# KiCad board Backplane_v2.kicad_pcb
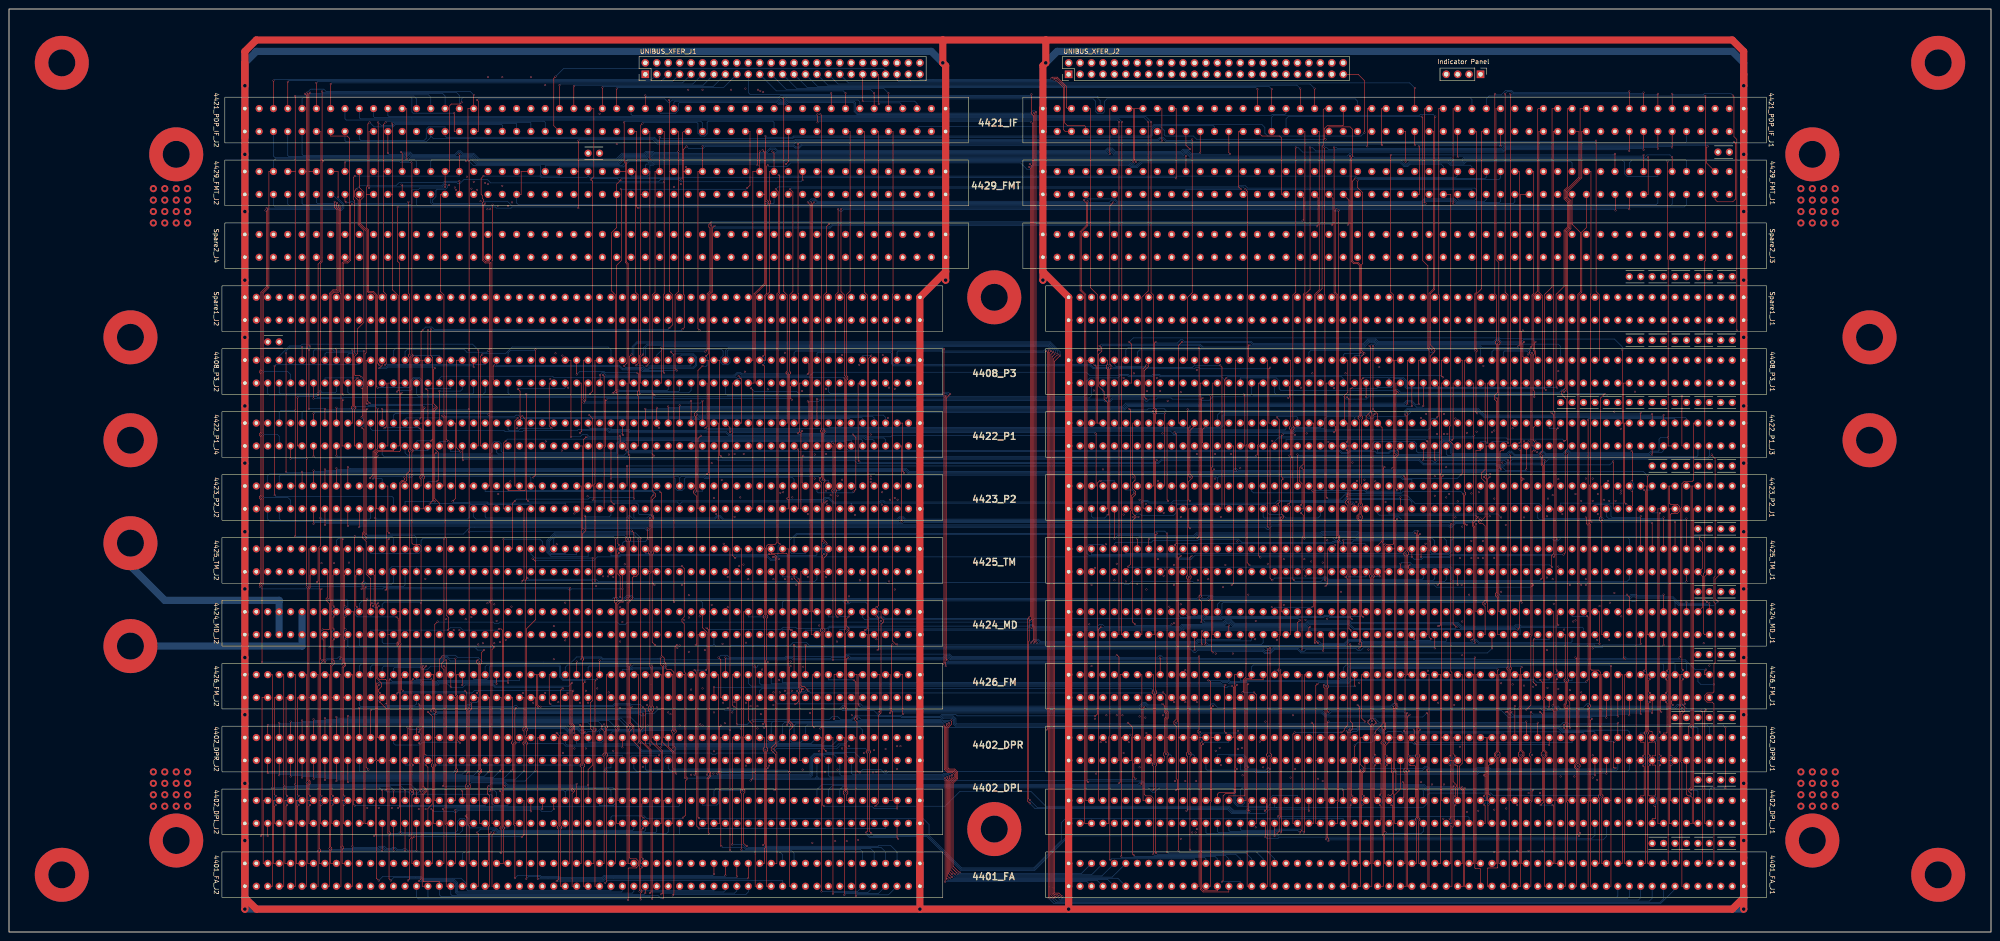
[diagram p0: board, top side]
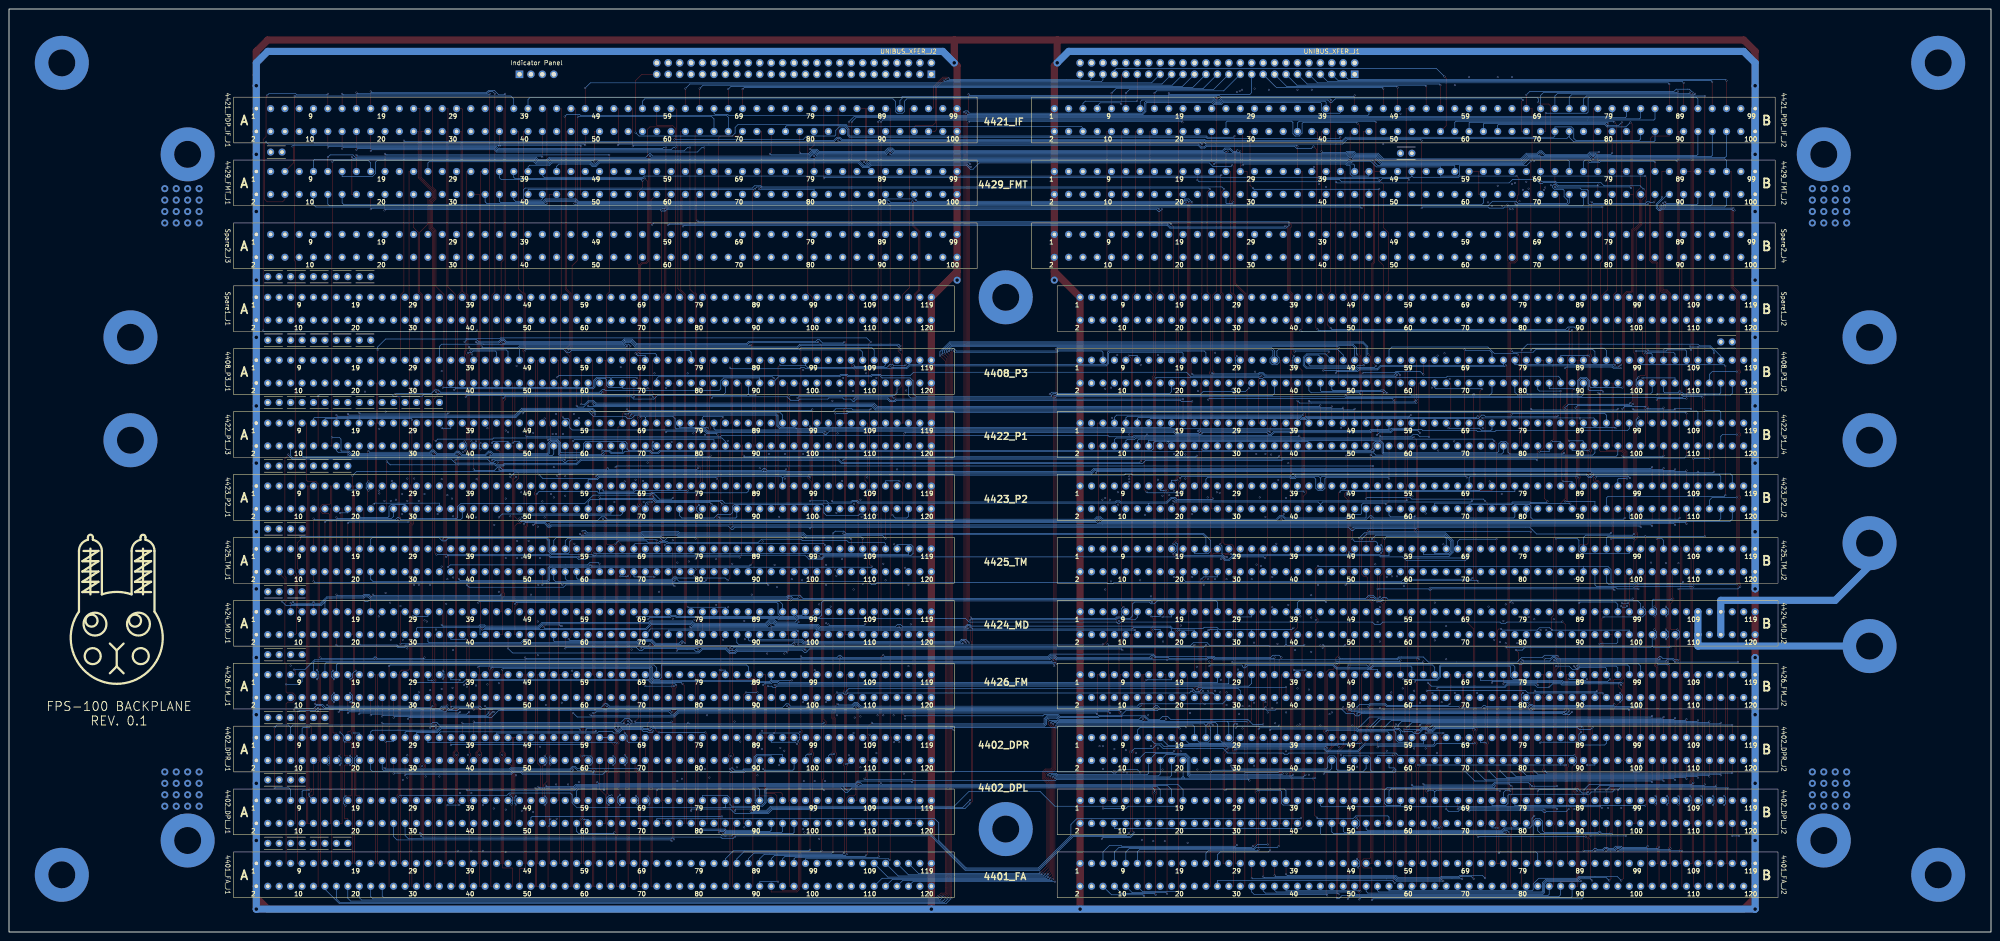
[diagram p1: board, bottom side, seen from below]

Outline 440 x 205 mm; copper layers: F.SigTop, F.GND (plane), F.Sig.In, B.Sig.In, B.GND (plane), B.Sig.Top. Coordinates in mm from the lower left corner of the outline.
Outline path: rectangle 0,205 440,0
Stack: F.SigTop 0.035mm / dielectric 0.1mm FR4 er 4.5 / F.GND 0.035mm / dielectric 0.535mm FR4 er 4.5 / F.Sig.In 0.035mm / dielectric 0.1mm FR4 er 4.5 / B.Sig.In 0.035mm / dielectric 0.535mm FR4 er 4.5 / B.GND 0.035mm / dielectric 0.1mm FR4 er 4.5 / B.Sig.Top 0.035mm

## Placement (name value [footprint] x y rotation side)
4401_FA_J1  Conn_02x60_120pin  [120pin_Edge_Connector]  385.1 15.24 270 top
4401_FA_J2  Conn_02x60_120pin  [120pin_Edge_Connector]  202.22 15.24 270 top
4402_DPL_J1  Conn_02x60_120pin  [120pin_Edge_Connector]  385.1 29.21 270 top
4402_DPL_J2  Conn_02x60_120pin  [120pin_Edge_Connector]  202.22 29.21 270 top
4402_DPR_J1  Conn_02x60_120pin  [120pin_Edge_Connector]  385.1 43.18 270 top
4402_DPR_J2  Conn_02x60_120pin  [120pin_Edge_Connector]  202.22 43.18 270 top
4408_P3_J1  Conn_02x60_120pin  [120pin_Edge_Connector]  385.1 127 270 top
4408_P3_J2  Conn_02x60_120pin  [120pin_Edge_Connector]  202.22 127 270 top
4421_PDP_IF_J1  Conn_02x50_100pin  [100pin_Edge_Connector]  385.1 182.88 270 top
4421_PDP_IF_J2  Conn_02x50_100pin  [100pin_Edge_Connector]  207.94 182.88 270 top
4422_P1_J3  Conn_02x60_120pin  [120pin_Edge_Connector]  385.1 113.03 270 top
4422_P1_J4  Conn_02x60_120pin  [120pin_Edge_Connector]  202.22 113.03 270 top
4423_P2_J1  Conn_02x60_120pin  [120pin_Edge_Connector]  385.1 99.06 270 top
4423_P2_J2  Conn_02x60_120pin  [120pin_Edge_Connector]  202.22 99.06 270 top
4424_MD_J1  Conn_02x60_120pin  [120pin_Edge_Connector]  385.1 71.12 270 top
4424_MD_J2  Conn_02x60_120pin  [120pin_Edge_Connector]  202.22 71.12 270 top
4425_TM_J1  Conn_02x60_120pin  [120pin_Edge_Connector]  385.1 85.09 270 top
4425_TM_J2  Conn_02x60_120pin  [120pin_Edge_Connector]  202.22 85.09 270 top
4426_FM_J1  Conn_02x60_120pin  [120pin_Edge_Connector]  385.1 57.15 270 top
4426_FM_J2  Conn_02x60_120pin  [120pin_Edge_Connector]  202.22 57.15 270 top
4429_FMT_J1  Conn_02x50_100pin  [100pin_Edge_Connector]  385.1 168.91 270 top
4429_FMT_J2  Conn_02x50_100pin  [100pin_Edge_Connector]  207.94 168.91 270 top
J1  Conn_01x02_Pin  [TwistedPairHeader]  374.94 19.68 90 top
J2  Conn_01x02_Pin  [TwistedPairHeader]  369.86 19.68 90 top
J3  Conn_01x02_Pin  [TwistedPairHeader]  364.78 19.68 90 top
J4  Conn_01x02_Pin  [TwistedPairHeader]  377.48 33.78 270 top
J5  ~  [TwistedPairHeader]  382.56 19.68 270 top
J6  Conn_01x02_Pin  [TwistedPairHeader]  380.02 47.62 90 top
J7  Conn_01x02_Pin  [TwistedPairHeader]  382.56 33.78 270 top
J8  Conn_01x02_Pin  [TwistedPairHeader]  380.02 61.6 90 top
J9  Conn_01x02_Pin  [TwistedPairHeader]  374.94 47.62 90 top
J10  Conn_01x02_Pin  [TwistedPairHeader]  369.86 47.62 90 top
J11  Conn_01x02_Pin  [TwistedPairHeader]  377.48 61.6 270 top
J12  Conn_01x02_Pin  [TwistedPairHeader]  380.02 75.56 90 top
J13  Conn_01x02_Pin  [TwistedPairHeader]  374.94 75.56 90 top
J14  Conn_01x02_Pin  [TwistedPairHeader]  380.02 89.53 90 top
J15  Conn_01x02_Pin  [TwistedPairHeader]  380.02 103.5 90 top
J16  Conn_01x02_Pin  [TwistedPairHeader]  374.94 89.53 90 top
J17  Conn_01x02_Pin  [TwistedPairHeader]  372.4 103.5 270 top
J18  Conn_01x02_Pin  [TwistedPairHeader]  367.32 103.5 270 top
J19  Conn_01x02_Pin  [TwistedPairHeader]  374.94 103.5 90 top
J20  Conn_01x02_Pin  [TwistedPairHeader]  380.02 131.44 90 top
J21  Conn_01x02_Pin  [TwistedPairHeader]  377.48 131.44 270 top
J22  Conn_01x02_Pin  [TwistedPairHeader]  372.4 131.44 270 top
J23  Conn_01x02_Pin  [TwistedPairHeader]  367.32 131.44 270 top
J24  Conn_01x02_Pin  [TwistedPairHeader]  362.24 131.44 270 top
J25  Conn_01x02_Pin  [TwistedPairHeader]  362.24 145.54 270 top
J26  Conn_01x02_Pin  [TwistedPairHeader]  367.32 145.54 270 top
J27  Conn_01x02_Pin  [TwistedPairHeader]  372.4 145.54 270 top
J28  Conn_01x02_Pin  [TwistedPairHeader]  377.48 145.54 270 top
J29  Conn_01x02_Pin  [TwistedPairHeader]  382.56 145.54 270 top
J30  Conn_01x02_Pin  [TwistedPairHeader]  382.56 117.6 270 top
J31  Conn_01x02_Pin  [TwistedPairHeader]  374.94 117.6 90 top
J32  Conn_01x02_Pin  [TwistedPairHeader]  369.86 117.6 90 top
J33  Conn_01x02_Pin  [TwistedPairHeader]  364.78 117.6 90 top
J34  Conn_01x02_Pin  [TwistedPairHeader]  359.7 117.6 90 top
J35  Conn_01x02_Pin  [TwistedPairHeader]  347 117.6 270 top
J36  Conn_01x02_Pin  [TwistedPairHeader]  352.08 117.6 270 top
J37  Conn_01x02_Pin  [TwistedPairHeader]  357.16 117.6 270 top
J38  Conn_01x02_Pin  [TwistedPairHeader]  131.1 172.97 270 top
J39  Indicator Panel  [PinHeader_1x04_P2.54mm_Vertical]  326.68 190.5 270 top
J40  Conn_01x02_Pin  [TwistedPairHeader]  59.98 131.06 270 top
J41  Conn_01x02_Pin  [TwistedPairHeader]  381.92 173.23 270 top
Spare1_J1  Conn_02x60_120pin  [120pin_Edge_Connector]  385.1 140.97 270 top
Spare1_J2  Conn_02x60_120pin  [120pin_Edge_Connector]  202.22 140.97 270 top
Spare2_J3  Conn_02x50_100pin  [100pin_Edge_Connector]  385.1 154.94 270 top
Spare2_J4  Conn_02x50_100pin  [100pin_Edge_Connector]  207.94 154.94 270 top
UNIBUS_XFER_J1  Conn_02x25_Odd_Even  [PinHeader_2x25_P2.54mm_Vertical]  141.26 190.5 90 top
UNIBUS_XFER_J2  Conn_02x25_Odd_Even  [PinHeader_2x25_P2.54mm_Vertical]  235.24 190.5 90 top

## Library data of the parts
4401_FA_J1 4401_FA_J2 4402_DPL_J1 4402_DPL_J2 4402_DPR_J1 4402_DPR_J2 4408_P3_J1 4408_P3_J2 4421_PDP_IF_J1 4421_PDP_IF_J2 4422_P1_J3 4422_P1_J4 4423_P2_J1 4423_P2_J2 4424_MD_J1 4424_MD_J2 4425_TM_J1 4425_TM_J2 4426_FM_J1 4426_FM_J2 4429_FMT_J1 4429_FMT_J2 Spare1_J1 Spare1_J2 Spare2_J3 Spare2_J4 = -: Description: "Generic connector, double row, 02x60, row letter first pin numbering scheme (pin number consists of a letter for the row and a number for the pin index in this row. a1, ..., aN; b1, ..., bN), script generated"; ki_fp_filters: Connector*:*_2x??_*
J1-J38 J40 J41 = -: Description: Generic connector, single row, 01x02, script generated; ki_fp_filters: Connector*:*_1x??_*
J39 = -: Description: Generic connector, single row, 01x04, script generated; ki_fp_filters: Connector*:*_1x??_*
UNIBUS_XFER_J1 UNIBUS_XFER_J2 = -: Description: Generic connector, double row, 02x25, odd/even pin numbering scheme (row 1 odd numbers, row 2 even numbers), script generated (kicad-library-utils/schlib/autogen/connector/); ki_fp_filters: Connector*:*_2x??_*

## Footprints (pads in the part's own frame, mm; a bottom-side part is the same pattern mirrored in y, then rotated)
100pin_Edge_Connector
  round 1.6 hole 0.8: 1(0,0) 2(5.08,0) 3(0,-3.175) 4(5.08,-3.175) 5(0,-6.35) 6(5.08,-6.35) 7(0,-9.525) 8(5.08,-9.525) 9(0,-12.7) 10(5.08,-12.7) 11(0,-15.875) 12(5.08,-15.875) 13(0,-19.05) 14(5.08,-19.05) 15(0,-22.225) 16(5.08,-22.225) 17(0,-25.4) 18(5.08,-25.4) 19(0,-28.575) 20(5.08,-28.575) 21(0,-31.75) 22(5.08,-31.75) 23(0,-34.925) 24(5.08,-34.925) 25(0,-38.1) 26(5.08,-38.1) 27(0,-41.275) 28(5.08,-41.275) 29(0,-44.45) 30(5.08,-44.45) 31(0,-47.625) 32(5.08,-47.625) 33(0,-50.8) 34(5.08,-50.8) 35(0,-53.975) 36(5.08,-53.975) 37(0,-57.15) 38(5.08,-57.15) 39(0,-60.325) 40(5.08,-60.325) 41(0,-63.5) 42(5.08,-63.5) 43(0,-66.675) 44(5.08,-66.675) 45(0,-69.85) 46(5.08,-69.85) 47(0,-73.025) 48(5.08,-73.025) 49(0,-76.2) 50(5.08,-76.2) 51(0,-79.375) 52(5.08,-79.375) 53(0,-82.55) 54(5.08,-82.55) 55(0,-85.725) 56(5.08,-85.725) 57(0,-88.9) 58(5.08,-88.9) 59(0,-92.075) 60(5.08,-92.075) 61(0,-95.25) 62(5.08,-95.25) 63(0,-98.425) 64(5.08,-98.425) 65(0,-101.6) 66(5.08,-101.6) 67(0,-104.775) 68(5.08,-104.775) 69(0,-107.95) 70(5.08,-107.95) 71(0,-111.125) 72(5.08,-111.125) 73(0,-114.3) 74(5.08,-114.3) 75(0,-117.475) 76(5.08,-117.475) 77(0,-120.65) 78(5.08,-120.65) 79(0,-123.825) 80(5.08,-123.825) 81(0,-127) 82(5.08,-127) 83(0,-130.175) 84(5.08,-130.175) 85(0,-133.35) 86(5.08,-133.35) 87(0,-136.525) 88(5.08,-136.525) 89(0,-139.7) 90(5.08,-139.7) 91(0,-142.875) 92(5.08,-142.875) 93(0,-146.05) 94(5.08,-146.05) 95(0,-149.225) 96(5.08,-149.225) 97(0,-152.4) 98(5.08,-152.4) 99(0,-155.575) 100(5.08,-155.575)
120pin_Edge_Connector
  round 1.6 hole 0.8: 1(0,0) 2(5.08,0) 3(0,-2.54) 4(5.08,-2.54) 5(0,-5.08) 6(5.08,-5.08) 7(0,-7.62) 8(5.08,-7.62) 9(0,-10.16) 10(5.08,-10.16) 11(0,-12.7) 12(5.08,-12.7) 13(0,-15.24) 14(5.08,-15.24) 15(0,-17.78) 16(5.08,-17.78) 17(0,-20.32) 18(5.08,-20.32) 19(0,-22.86) 20(5.08,-22.86) 21(0,-25.4) 22(5.08,-25.4) 23(0,-27.94) 24(5.08,-27.94) 25(0,-30.48) 26(5.08,-30.48) 27(0,-33.02) 28(5.08,-33.02) 29(0,-35.56) 30(5.08,-35.56) 31(0,-38.1) 32(5.08,-38.1) 33(0,-40.64) 34(5.08,-40.64) 35(0,-43.18) 36(5.08,-43.18) 37(0,-45.72) 38(5.08,-45.72) 39(0,-48.26) 40(5.08,-48.26) 41(0,-50.8) 42(5.08,-50.8) 43(0,-53.34) 44(5.08,-53.34) 45(0,-55.88) 46(5.08,-55.88) 47(0,-58.42) 48(5.08,-58.42) 49(0,-60.96) 50(5.08,-60.96) 51(0,-63.5) 52(5.08,-63.5) 53(0,-66.04) 54(5.08,-66.04) 55(0,-68.58) 56(5.08,-68.58) 57(0,-71.12) 58(5.08,-71.12) 59(0,-73.66) 60(5.08,-73.66) 61(0,-76.2) 62(5.08,-76.2) 63(0,-78.74) 64(5.08,-78.74) 65(0,-81.28) 66(5.08,-81.28) 67(0,-83.82) 68(5.08,-83.82) 69(0,-86.36) 70(5.08,-86.36) 71(0,-88.9) 72(5.08,-88.9) 73(0,-91.44) 74(5.08,-91.44) 75(0,-93.98) 76(5.08,-93.98) 77(0,-96.52) 78(5.08,-96.52) 79(0,-99.06) 80(5.08,-99.06) 81(0,-101.6) 82(5.08,-101.6) 83(0,-104.14) 84(5.08,-104.14) 85(0,-106.68) 86(5.08,-106.68) 87(0,-109.22) 88(5.08,-109.22) 89(0,-111.76) 90(5.08,-111.76) 91(0,-114.3) 92(5.08,-114.3) 93(0,-116.84) 94(5.08,-116.84) 95(0,-119.38) 96(5.08,-119.38) 97(0,-121.92) 98(5.08,-121.92) 99(0,-124.46) 100(5.08,-124.46) 101(0,-127) 102(5.08,-127) 103(0,-129.54) 104(5.08,-129.54) 105(0,-132.08) 106(5.08,-132.08) 107(0,-134.62) 108(5.08,-134.62) 109(0,-137.16) 110(5.08,-137.16) 111(0,-139.7) 112(5.08,-139.7) 113(0,-142.24) 114(5.08,-142.24) 115(0,-144.78) 116(5.08,-144.78) 117(0,-147.32) 118(5.08,-147.32) 119(0,-149.86) 120(5.08,-149.86)
PinHeader_1x04_P2.54mm_Vertical
  rect 1.7x1.7 hole 1: 1(0,0)
  round 1.7 hole 1: 2(0,-2.54) 3(0,-5.08) 4(0,-7.62)
PinHeader_2x25_P2.54mm_Vertical
  rect 1.7x1.7 hole 1: 1(0,0)
  round 1.7 hole 1: 2(2.54,0) 3(0,-2.54) 4(2.54,-2.54) 5(0,-5.08) 6(2.54,-5.08) 7(0,-7.62) 8(2.54,-7.62) 9(0,-10.16) 10(2.54,-10.16) 11(0,-12.7) 12(2.54,-12.7) 13(0,-15.24) 14(2.54,-15.24) 15(0,-17.78) 16(2.54,-17.78) 17(0,-20.32) 18(2.54,-20.32) 19(0,-22.86) 20(2.54,-22.86) 21(0,-25.4) 22(2.54,-25.4) 23(0,-27.94) 24(2.54,-27.94) 25(0,-30.48) 26(2.54,-30.48) 27(0,-33.02) 28(2.54,-33.02) 29(0,-35.56) 30(2.54,-35.56) 31(0,-38.1) 32(2.54,-38.1) 33(0,-40.64) 34(2.54,-40.64) 35(0,-43.18) 36(2.54,-43.18) 37(0,-45.72) 38(2.54,-45.72) 39(0,-48.26) 40(2.54,-48.26) 41(0,-50.8) 42(2.54,-50.8) 43(0,-53.34) 44(2.54,-53.34) 45(0,-55.88) 46(2.54,-55.88) 47(0,-58.42) 48(2.54,-58.42) 49(0,-60.96) 50(2.54,-60.96)
TwistedPairHeader
  round 1.6 hole 0.8: 1(0,0) 2(0,-2.54)

## Nets
+5V: 4401_FA_J1.1 4401_FA_J1.2 4401_FA_J1.119 4401_FA_J1.120 4401_FA_J2.1 4401_FA_J2.2 4401_FA_J2.119 4401_FA_J2.120 4402_DPL_J1.1 4402_DPL_J1.2 4402_DPL_J1.119 4402_DPL_J1.120 4402_DPL_J2.1 4402_DPL_J2.2 4402_DPL_J2.119 4402_DPL_J2.120 4402_DPR_J1.1 4402_DPR_J1.2 4402_DPR_J1.119 4402_DPR_J1.120 4402_DPR_J2.1 4402_DPR_J2.2 4402_DPR_J2.119 4402_DPR_J2.120 4408_P3_J1.1 4408_P3_J1.2 4408_P3_J1.119 4408_P3_J1.120 4408_P3_J2.1 4408_P3_J2.2 4408_P3_J2.119 4408_P3_J2.120 4421_PDP_IF_J1.1 4421_PDP_IF_J1.2 4421_PDP_IF_J1.99 4421_PDP_IF_J1.100 4421_PDP_IF_J2.1 4421_PDP_IF_J2.2 4421_PDP_IF_J2.99 4421_PDP_IF_J2.100 4422_P1_J3.1 4422_P1_J3.2 4422_P1_J3.119 4422_P1_J3.120 4422_P1_J4.1 4422_P1_J4.2 4422_P1_J4.119 4422_P1_J4.120 4423_P2_J1.1 4423_P2_J1.2 4423_P2_J1.119 4423_P2_J1.120 4423_P2_J2.1 4423_P2_J2.2 4423_P2_J2.119 4423_P2_J2.120 4424_MD_J1.1 4424_MD_J1.2 4424_MD_J1.119 4424_MD_J1.120 4424_MD_J2.1 4424_MD_J2.2 4424_MD_J2.119 4424_MD_J2.120 4425_TM_J1.1 4425_TM_J1.2 4425_TM_J1.119 4425_TM_J1.120 4425_TM_J2.1 4425_TM_J2.2 4425_TM_J2.119 4425_TM_J2.120 4426_FM_J1.1 4426_FM_J1.2 4426_FM_J1.119 4426_FM_J1.120 4426_FM_J2.1 4426_FM_J2.2 4426_FM_J2.119 4426_FM_J2.120 4429_FMT_J1.1 4429_FMT_J1.2 4429_FMT_J1.99 4429_FMT_J1.100 4429_FMT_J2.1 4429_FMT_J2.2 4429_FMT_J2.99 4429_FMT_J2.100 Spare1_J1.1 Spare1_J1.2 Spare1_J1.119 Spare1_J1.120 Spare1_J2.1 Spare1_J2.2 Spare1_J2.119 Spare1_J2.120 Spare2_J3.1 Spare2_J3.2 Spare2_J3.99 Spare2_J3.100 Spare2_J4.1 Spare2_J4.2 Spare2_J4.99 Spare2_J4.100
+12V: 4424_MD_J2.109 4424_MD_J2.110
-5V: 4424_MD_J2.113 4424_MD_J2.114
GND: 4401_FA_J1.3 4401_FA_J1.4 4401_FA_J1.117 4401_FA_J1.118 4401_FA_J2.3 4401_FA_J2.4 4401_FA_J2.117 4401_FA_J2.118 4402_DPL_J1.3 4402_DPL_J1.4 4402_DPL_J1.117 4402_DPL_J1.118 4402_DPL_J2.3 4402_DPL_J2.4 4402_DPL_J2.117 4402_DPL_J2.118 4402_DPR_J1.3 4402_DPR_J1.4 4402_DPR_J1.117 4402_DPR_J1.118 4402_DPR_J2.3 4402_DPR_J2.4 4402_DPR_J2.117 4402_DPR_J2.118 4408_P3_J1.3 4408_P3_J1.4 4408_P3_J1.117 4408_P3_J1.118 4408_P3_J2.3 4408_P3_J2.4 4408_P3_J2.117 4408_P3_J2.118 4421_PDP_IF_J1.3 4421_PDP_IF_J1.4 4421_PDP_IF_J1.97 4421_PDP_IF_J1.98 4421_PDP_IF_J2.3 4421_PDP_IF_J2.4 4421_PDP_IF_J2.97 4421_PDP_IF_J2.98 4422_P1_J3.3 4422_P1_J3.4 4422_P1_J3.117 4422_P1_J3.118 4422_P1_J4.3 4422_P1_J4.4 4422_P1_J4.117 4422_P1_J4.118 4423_P2_J1.3 4423_P2_J1.4 4423_P2_J1.117 4423_P2_J1.118 4423_P2_J2.3 4423_P2_J2.4 4423_P2_J2.117 4423_P2_J2.118 4424_MD_J1.3 4424_MD_J1.4 4424_MD_J1.117 4424_MD_J1.118 4424_MD_J2.3 4424_MD_J2.4 4424_MD_J2.117 4424_MD_J2.118 4425_TM_J1.3 4425_TM_J1.4 4425_TM_J1.117 4425_TM_J1.118 4425_TM_J2.3 4425_TM_J2.4 4425_TM_J2.117 4425_TM_J2.118 4426_FM_J1.3 4426_FM_J1.4 4426_FM_J1.117 4426_FM_J1.118 4426_FM_J2.3 4426_FM_J2.4 4426_FM_J2.117 4426_FM_J2.118 4429_FMT_J1.3 4429_FMT_J1.4 4429_FMT_J1.97 4429_FMT_J1.98 4429_FMT_J2.3 4429_FMT_J2.4 4429_FMT_J2.97 4429_FMT_J2.98 J1.1 J2.1 J3.1 J4.2 J5.1 J6.2 J7.1 J8.2 J9.1 J10.1 J11.1 J12.2 J13.1 J14.2 J15.2 J16.1 J17.2 J18.2 J19.1 J20.2 J21.2 J22.2 J23.2 J24.2 J25.1 J26.1 J27.1 J28.1 J29.1 J30.1 J31.1 J32.1 J33.1 J34.1 J35.2 J36.2 J37.2 J38.1 J40.1 J41.1 Spare1_J1.3 Spare1_J1.4 Spare1_J1.117 Spare1_J1.118 Spare1_J2.3 Spare1_J2.4 Spare1_J2.117 Spare1_J2.118 Spare2_J3.3 Spare2_J3.4 Spare2_J3.97 Spare2_J3.98 Spare2_J4.3 Spare2_J4.4 Spare2_J4.97 Spare2_J4.98 UNIBUS_XFER_J1.2 UNIBUS_XFER_J1.4 UNIBUS_XFER_J1.6 UNIBUS_XFER_J1.8 UNIBUS_XFER_J1.10 UNIBUS_XFER_J1.12 UNIBUS_XFER_J1.14 UNIBUS_XFER_J1.16 UNIBUS_XFER_J1.18 UNIBUS_XFER_J1.20 UNIBUS_XFER_J1.22 UNIBUS_XFER_J1.24 UNIBUS_XFER_J1.26 UNIBUS_XFER_J1.28 UNIBUS_XFER_J1.30 UNIBUS_XFER_J1.32 UNIBUS_XFER_J1.34 UNIBUS_XFER_J1.36 UNIBUS_XFER_J1.38 UNIBUS_XFER_J1.40 UNIBUS_XFER_J1.42 UNIBUS_XFER_J1.44 UNIBUS_XFER_J1.46 UNIBUS_XFER_J1.48 UNIBUS_XFER_J1.50 UNIBUS_XFER_J2.2 UNIBUS_XFER_J2.4 UNIBUS_XFER_J2.6 UNIBUS_XFER_J2.8 UNIBUS_XFER_J2.10 UNIBUS_XFER_J2.12 UNIBUS_XFER_J2.14 UNIBUS_XFER_J2.16 UNIBUS_XFER_J2.18 UNIBUS_XFER_J2.20 UNIBUS_XFER_J2.22 UNIBUS_XFER_J2.24 UNIBUS_XFER_J2.26 UNIBUS_XFER_J2.28 UNIBUS_XFER_J2.30 UNIBUS_XFER_J2.32 UNIBUS_XFER_J2.34 UNIBUS_XFER_J2.36 UNIBUS_XFER_J2.38 UNIBUS_XFER_J2.40 UNIBUS_XFER_J2.42 UNIBUS_XFER_J2.44 UNIBUS_XFER_J2.46 UNIBUS_XFER_J2.48 UNIBUS_XFER_J2.50
376IN*: 4408_P3_J2.57 4422_P1_J3.97 4423_P2_J2.14
376LD*: 4408_P3_J2.58 4422_P1_J3.101 4423_P2_J2.26
377IN*: 4408_P3_J1.39 4422_P1_J3.99
377LD*: 4408_P3_J1.37 4422_P1_J3.103
A1EBS00*: 4402_DPL_J1.29 4426_FM_J1.12
A1EBS01*: 4402_DPL_J1.31 4426_FM_J1.14
A1EBS02*: 4402_DPL_J1.33 4422_P1_J3.35 4425_TM_J1.71 4426_FM_J1.16
A1EBS03*: 4402_DPL_J1.35 4422_P1_J3.37 4425_TM_J1.73 4426_FM_J1.18
A1EBS04*: 4402_DPL_J1.97 4422_P1_J3.47 4425_TM_J1.75 4426_FM_J1.28
A1EBS05*: 4402_DPL_J1.99 4422_P1_J3.49 4425_TM_J1.77 4426_FM_J1.30
A1EBS06*: 4402_DPL_J1.101 4422_P1_J3.51 4425_TM_J1.79 4426_FM_J1.32
A1EBS07*: 4402_DPL_J1.103 4422_P1_J3.53 4425_TM_J1.81 4426_FM_J1.34
A1EBS08*: 4402_DPL_J2.21 4422_P1_J3.55 4425_TM_J1.83 4426_FM_J1.44
A1EBS09*: 4402_DPL_J2.23 4422_P1_J3.57 4425_TM_J1.85 4426_FM_J1.46
A1EBS10*: 4402_DPL_J2.25 4422_P1_J3.59 4425_TM_J1.101 4426_FM_J1.48
A1EBS11*: 4402_DPL_J2.27 4422_P1_J3.61 4425_TM_J1.103 4426_FM_J1.50
A1MBS00*: 4401_FA_J1.57 4402_DPR_J1.29 4425_TM_J1.105
A1MBS01*: 4401_FA_J1.59 4402_DPR_J1.31 4425_TM_J1.107
A1MBS02*: 4401_FA_J1.61 4402_DPR_J1.33 4425_TM_J1.109
A1MBS03*: 4401_FA_J1.63 4402_DPR_J1.35 4425_TM_J1.111
A1MBS04*: 4401_FA_J1.83 4402_DPR_J1.97 4425_TM_J1.113
A1MBS05*: 4401_FA_J1.85 4402_DPR_J1.99 4425_TM_J1.115
A1MBS06*: 4401_FA_J1.87 4402_DPR_J1.101 4425_TM_J2.21
A1MBS07*: 4401_FA_J1.89 4402_DPR_J1.103 4425_TM_J2.23
A1MBS08*: 4401_FA_J1.109 4402_DPR_J2.21 4425_TM_J2.25
A1MBS09*: 4401_FA_J1.111 4402_DPR_J2.23 4425_TM_J2.27
A1MBS10*: 4401_FA_J1.113 4402_DPR_J2.25 4425_TM_J2.29
A1MBS11*: 4401_FA_J1.115 4402_DPR_J2.27 4425_TM_J2.31
A1MBS12*: 4401_FA_J2.23 4402_DPR_J2.57 4425_TM_J2.33
A1MBS13*: 4401_FA_J2.25 4402_DPR_J2.59 4425_TM_J2.35
A1MBS14*: 4401_FA_J2.27 4402_DPR_J2.61 4425_TM_J2.55
A1MBS15*: 4401_FA_J2.29 4402_DPR_J2.63 4425_TM_J2.57
A1MBS16*: 4401_FA_J2.49 4402_DPR_J2.101 4425_TM_J2.59
A1MBS17*: 4401_FA_J2.51 4402_DPR_J2.103 4425_TM_J2.61
A1MBS18*: 4401_FA_J2.53 4402_DPR_J2.105 4425_TM_J2.63
A1MBS19*: 4401_FA_J2.55 4402_DPR_J2.107 4425_TM_J2.65
A1MBS20*: 4401_FA_J2.75 4402_DPL_J2.57 4425_TM_J2.67
A1MBS21*: 4401_FA_J2.77 4402_DPL_J2.59 4425_TM_J2.69
A1MBS22*: 4401_FA_J2.79 4402_DPL_J2.61 4425_TM_J2.97
A1MBS23*: 4401_FA_J2.81 4402_DPL_J2.63 4425_TM_J2.99
A1MBS24*: 4401_FA_J2.101 4402_DPL_J2.101 4425_TM_J2.101
A1MBS25*: 4401_FA_J2.103 4402_DPL_J2.103 4425_TM_J2.103
A1MBS26*: 4401_FA_J2.105 4402_DPL_J2.105 4425_TM_J2.105
A1MBS27*: 4401_FA_J2.107 4402_DPL_J2.107 4425_TM_J2.107
A2EBS00*: 4402_DPL_J1.37 4426_FM_J1.20
A2EBS01*: 4402_DPL_J1.39 4426_FM_J1.22
A2EBS02*: 4402_DPL_J1.41 4422_P1_J3.54 4426_FM_J1.24
A2EBS03*: 4402_DPL_J1.43 4422_P1_J3.56 4426_FM_J1.26
A2EBS04*: 4402_DPL_J1.105 4422_P1_J3.58 4426_FM_J1.36
A2EBS05*: 4402_DPL_J1.107 4422_P1_J3.60 4426_FM_J1.38
A2EBS06*: 4402_DPL_J1.109 4422_P1_J3.62 4426_FM_J1.40
A2EBS07*: 4402_DPL_J1.111 4422_P1_J3.64 4426_FM_J1.42
A2EBS08*: 4402_DPL_J2.29 4422_P1_J3.85 4426_FM_J1.52
A2EBS09*: 4402_DPL_J2.31 4422_P1_J3.87 4426_FM_J1.54
A2EBS10*: 4402_DPL_J2.33 4422_P1_J3.89 4426_FM_J1.56
A2EBS11*: 4402_DPL_J2.35 4422_P1_J3.91 4426_FM_J1.58
A2MBS00*: 4401_FA_J1.65 4402_DPR_J1.37 4422_P1_J3.93
A2MBS01*: 4401_FA_J1.67 4402_DPR_J1.39 4422_P1_J3.95
A2MBS02*: 4401_FA_J1.69 4402_DPR_J1.41
A2MBS03*: 4401_FA_J1.71 4402_DPR_J1.43
A2MBS04*: 4401_FA_J1.91 4402_DPR_J1.105
A2MBS05*: 4401_FA_J1.93 4402_DPR_J1.107
A2MBS06*: 4401_FA_J1.95 4402_DPR_J1.109
A2MBS07*: 4401_FA_J1.97 4402_DPR_J1.111
A2MBS08*: 4401_FA_J2.5 4402_DPR_J2.29
A2MBS09*: 4401_FA_J2.7 4402_DPR_J2.31
A2MBS10*: 4401_FA_J2.9 4402_DPR_J2.33
A2MBS11*: 4401_FA_J2.11 4402_DPR_J2.35
A2MBS12*: 4401_FA_J2.31 4402_DPR_J2.65
A2MBS13*: 4401_FA_J2.33 4402_DPR_J2.67
A2MBS14*: 4401_FA_J2.35 4402_DPR_J2.69
A2MBS15*: 4401_FA_J2.37 4402_DPR_J2.71
A2MBS16*: 4401_FA_J2.57 4402_DPR_J2.109
A2MBS17*: 4401_FA_J2.59 4402_DPR_J2.111
A2MBS18*: 4401_FA_J2.61 4402_DPR_J2.113
A2MBS19*: 4401_FA_J2.63 4402_DPR_J2.115
A2MBS20*: 4401_FA_J2.83 4402_DPL_J2.65
A2MBS21*: 4401_FA_J2.85 4402_DPL_J2.67
A2MBS22*: 4401_FA_J2.87 4402_DPL_J2.69
A2MBS23*: 4401_FA_J2.89 4402_DPL_J2.71
A2MBS24*: 4401_FA_J2.109 4402_DPL_J2.109
A2MBS25*: 4401_FA_J2.111 4402_DPL_J2.111
A2MBS26*: 4401_FA_J2.113 4402_DPL_J2.113
A2MBS27*: 4401_FA_J2.115 4402_DPL_J2.115
ABORT*: 4408_P3_J1.50 4422_P1_J4.97 4423_P2_J2.19 4424_MD_J1.32
B0CLK: 4421_PDP_IF_J1.36 4429_FMT_J1.5 4429_FMT_J1.48
B2CLK: 4421_PDP_IF_J1.45 4429_FMT_J2.59 4429_FMT_J2.62
B2IO: 4421_PDP_IF_J1.42 4429_FMT_J1.15
B2MDI: 4421_PDP_IF_J1.41 4429_FMT_J1.14
BH2HD: 4421_PDP_IF_J2.96 4429_FMT_J1.16
BL2HD: 4421_PDP_IF_J2.94 4429_FMT_J1.79
BMD2M2: 4423_P2_J2.48
BPPENB*: 4423_P2_J2.57 4425_TM_J1.12
BS2A1: 4401_FA_J1.7 4408_P3_J2.12 4426_FM_J1.9
BS2A2: 4401_FA_J1.9 4408_P3_J2.18 4426_FM_J1.11
BS2M1: 4423_P2_J2.45 4426_FM_J1.115
BS2M2: 4423_P2_J2.46 4426_FM_J1.116
BTMA00: 4425_TM_J1.14
BTMA01: 4425_TM_J1.16
BTMA02: 4425_TM_J1.18
BTMA03: 4425_TM_J1.20
BTMA04: 4425_TM_J1.24
BTMA05: 4425_TM_J1.26
BTMA06: 4425_TM_J1.28
BTMA07: 4425_TM_J1.30
BTMA08: 4425_TM_J1.34
BTMA09: 4425_TM_J1.36
BTMA10: 4425_TM_J1.38
BTMA11: 4425_TM_J1.40
BTMA12: 4425_TM_J1.44
BTMA13: 4425_TM_J1.46
BTMA14: 4425_TM_J1.48
BTMA15: 4425_TM_J1.50
BUF2CLK: 4421_PDP_IF_J1.48 4429_FMT_J1.6
BUSA01*: 4421_PDP_IF_J2.95 UNIBUS_XFER_J1.3
BUSA02*: 4421_PDP_IF_J2.93 UNIBUS_XFER_J1.5
BUSA03*: 4421_PDP_IF_J2.89 UNIBUS_XFER_J1.7
BUSA04*: 4421_PDP_IF_J2.87 UNIBUS_XFER_J1.9
BUSA05*: 4421_PDP_IF_J2.55 UNIBUS_XFER_J1.11
BUSA06*: 4421_PDP_IF_J2.53 UNIBUS_XFER_J1.13
BUSA07*: 4421_PDP_IF_J2.49 UNIBUS_XFER_J1.15
BUSA08*: 4421_PDP_IF_J2.47 UNIBUS_XFER_J1.17
BUSA09*: 4421_PDP_IF_J2.17 UNIBUS_XFER_J1.19
BUSA10*: 4421_PDP_IF_J2.15 UNIBUS_XFER_J1.21
BUSA11*: 4421_PDP_IF_J2.11 UNIBUS_XFER_J1.23
BUSA12*: 4421_PDP_IF_J2.9 UNIBUS_XFER_J1.25
BUSA13*: 4421_PDP_IF_J1.69 UNIBUS_XFER_J1.27
BUSA14*: 4421_PDP_IF_J1.67 UNIBUS_XFER_J1.29
BUSA15*: 4421_PDP_IF_J1.63 UNIBUS_XFER_J1.31
BUSA16*: 4421_PDP_IF_J1.61 UNIBUS_XFER_J1.33
BUSA17*: 4421_PDP_IF_J1.47 UNIBUS_XFER_J1.35
BUSBBSY*: 4421_PDP_IF_J1.96 UNIBUS_XFER_J1.45
BUSBGIN: 4421_PDP_IF_J1.95 UNIBUS_XFER_J1.49
BUSBGOUT: 4421_PDP_IF_J2.6 UNIBUS_XFER_J2.49
BUSBR*: 4421_PDP_IF_J2.7 UNIBUS_XFER_J1.41
BUSC01*: 4421_PDP_IF_J2.50 UNIBUS_XFER_J2.37
BUSD00*: 4421_PDP_IF_J2.65 UNIBUS_XFER_J2.1
BUSD01*: 4421_PDP_IF_J2.63 UNIBUS_XFER_J2.3
BUSD02*: 4421_PDP_IF_J2.59 UNIBUS_XFER_J2.5
BUSD03*: 4421_PDP_IF_J2.57 UNIBUS_XFER_J2.7
BUSD04*: 4421_PDP_IF_J2.37 UNIBUS_XFER_J2.9
BUSD05*: 4421_PDP_IF_J2.35 UNIBUS_XFER_J2.11
BUSD06*: 4421_PDP_IF_J2.31 UNIBUS_XFER_J2.13
BUSD07*: 4421_PDP_IF_J2.29 UNIBUS_XFER_J2.15
BUSD08*: 4421_PDP_IF_J2.27 UNIBUS_XFER_J2.17
BUSD09*: 4421_PDP_IF_J2.25 UNIBUS_XFER_J2.19
BUSD10*: 4421_PDP_IF_J2.21 UNIBUS_XFER_J2.21
BUSD11*: 4421_PDP_IF_J2.19 UNIBUS_XFER_J2.23
BUSD12*: 4421_PDP_IF_J1.79 UNIBUS_XFER_J2.25
BUSD13*: 4421_PDP_IF_J1.77 UNIBUS_XFER_J2.27
BUSD14*: 4421_PDP_IF_J1.73 UNIBUS_XFER_J2.29
BUSD15*: 4421_PDP_IF_J1.71 UNIBUS_XFER_J2.31